# KiCad board rcbus-ymf262-panel.kicad_pcb (continued)
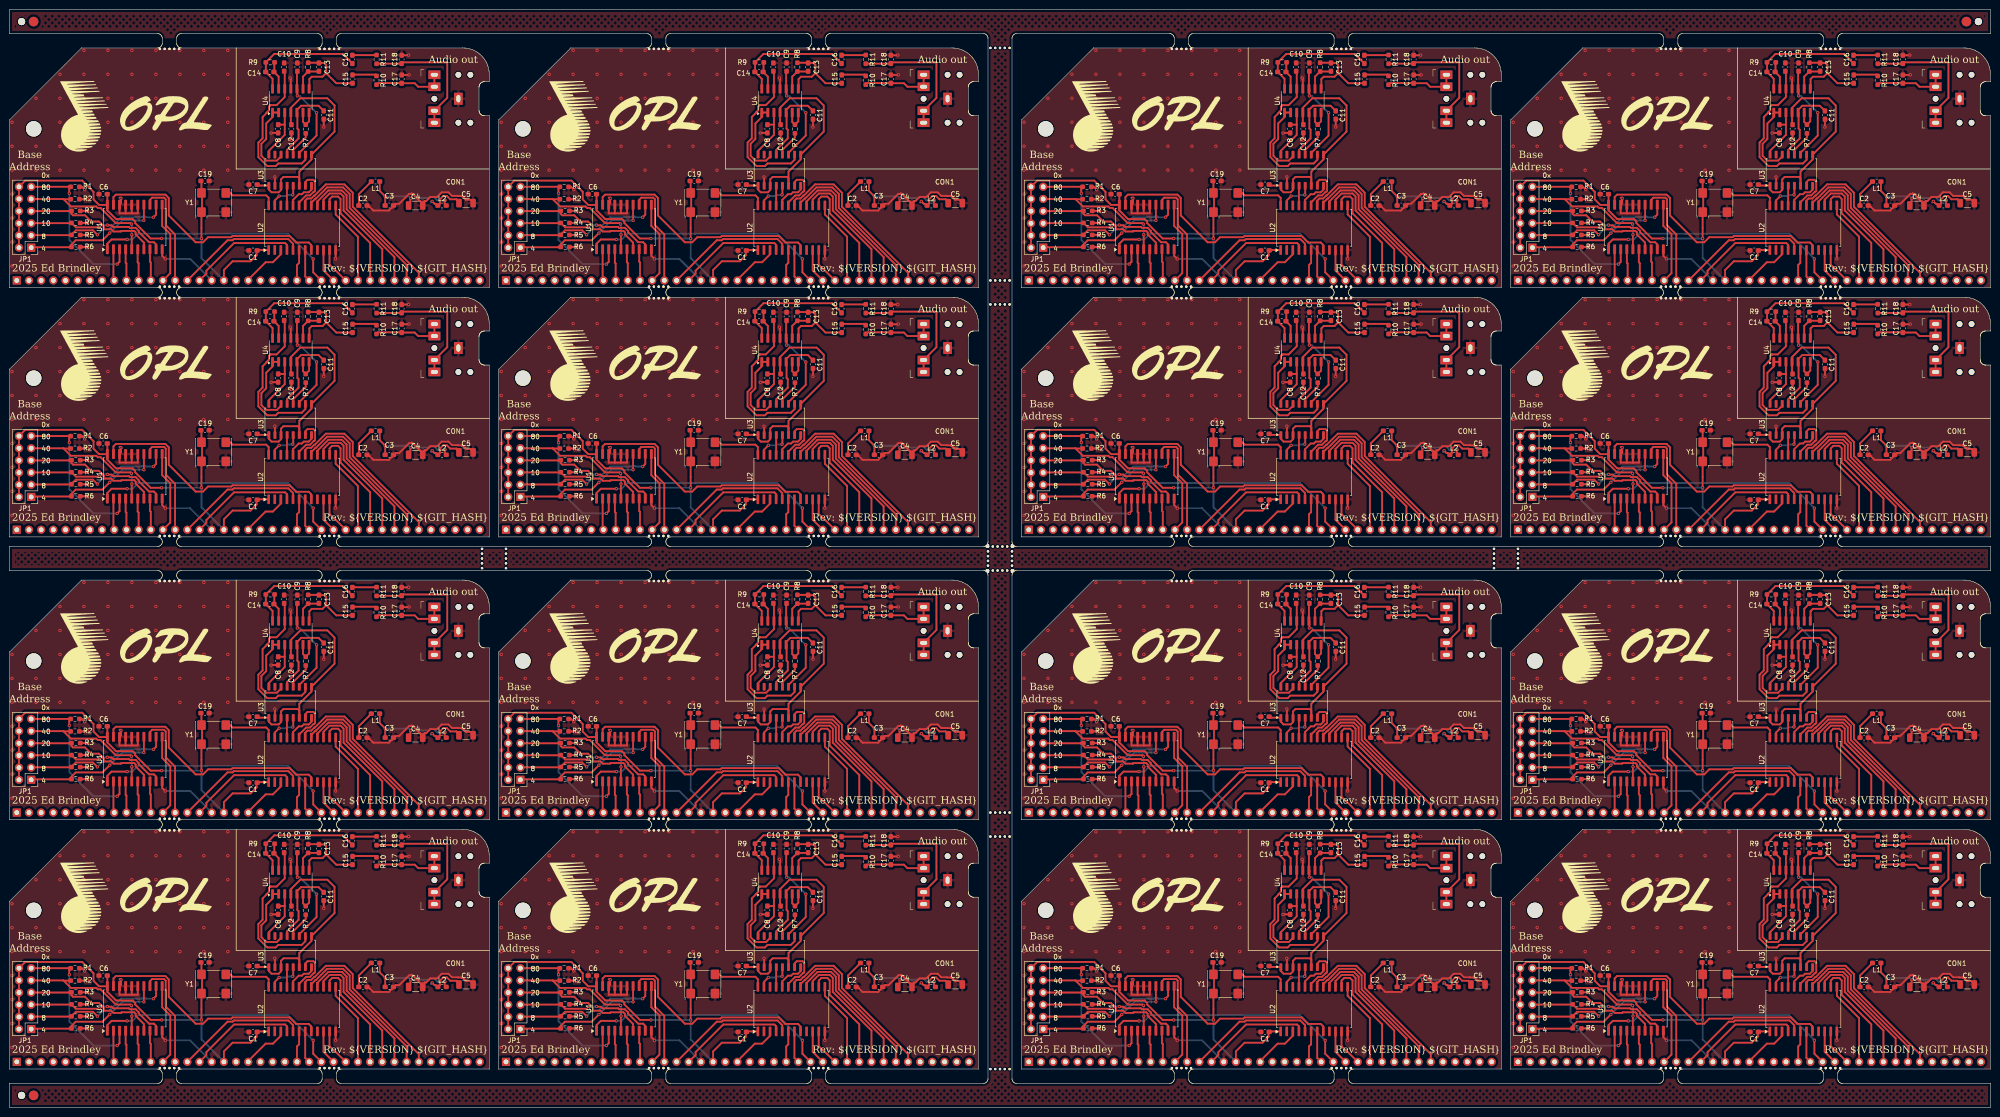
[diagram p0: board, top side]
## Placement (name value [footprint] x y rotation side) (continued)
P1#16  RC2014 BUS  [PinHeader_1x39_P2.54mm_Vertical]  1.5 120.5 90 top
R1  10K  [R_0603_1608Metric_Pad0.98x0.95mm_HandSolder]  326.64 140.03 0 top
R1#2  10K  [R_0603_1608Metric_Pad0.98x0.95mm_HandSolder]  326.64 81.03 0 top
R1#3  10K  [R_0603_1608Metric_Pad0.98x0.95mm_HandSolder]  13.64 81.03 0 top
R1#4  10K  [R_0603_1608Metric_Pad0.98x0.95mm_HandSolder]  224.64 140.03 0 top
R1#5  10K  [R_0603_1608Metric_Pad0.98x0.95mm_HandSolder]  224.64 192.03 0 top
R1#6  10K  [R_0603_1608Metric_Pad0.98x0.95mm_HandSolder]  115.64 140.03 0 top
R1#7  10K  [R_0603_1608Metric_Pad0.98x0.95mm_HandSolder]  13.64 29.03 0 top
R1#8  10K  [R_0603_1608Metric_Pad0.98x0.95mm_HandSolder]  224.64 29.03 0 top
R1#9  10K  [R_0603_1608Metric_Pad0.98x0.95mm_HandSolder]  115.64 81.03 0 top
R1#10  10K  [R_0603_1608Metric_Pad0.98x0.95mm_HandSolder]  115.64 29.03 0 top
R1#11  10K  [R_0603_1608Metric_Pad0.98x0.95mm_HandSolder]  115.64 192.03 0 top
R1#12  10K  [R_0603_1608Metric_Pad0.98x0.95mm_HandSolder]  326.64 192.03 0 top
R1#13  10K  [R_0603_1608Metric_Pad0.98x0.95mm_HandSolder]  13.64 192.03 0 top
R1#14  10K  [R_0603_1608Metric_Pad0.98x0.95mm_HandSolder]  224.64 81.03 0 top
R1#15  10K  [R_0603_1608Metric_Pad0.98x0.95mm_HandSolder]  326.64 29.03 0 top
R1#16  10K  [R_0603_1608Metric_Pad0.98x0.95mm_HandSolder]  13.64 140.03 0 top
R2  10K  [R_0603_1608Metric_Pad0.98x0.95mm_HandSolder]  224.64 78.44 0 top
R2#2  10K  [R_0603_1608Metric_Pad0.98x0.95mm_HandSolder]  13.64 137.44 0 top
R2#3  10K  [R_0603_1608Metric_Pad0.98x0.95mm_HandSolder]  224.64 26.44 0 top
R2#4  10K  [R_0603_1608Metric_Pad0.98x0.95mm_HandSolder]  326.64 189.44 0 top
R2#5  10K  [R_0603_1608Metric_Pad0.98x0.95mm_HandSolder]  326.64 78.44 0 top
R2#6  10K  [R_0603_1608Metric_Pad0.98x0.95mm_HandSolder]  13.64 78.44 0 top
R2#7  10K  [R_0603_1608Metric_Pad0.98x0.95mm_HandSolder]  326.64 26.44 0 top
R2#8  10K  [R_0603_1608Metric_Pad0.98x0.95mm_HandSolder]  224.64 189.44 0 top
R2#9  10K  [R_0603_1608Metric_Pad0.98x0.95mm_HandSolder]  224.64 137.44 0 top
R2#10  10K  [R_0603_1608Metric_Pad0.98x0.95mm_HandSolder]  115.64 189.44 0 top
R2#11  10K  [R_0603_1608Metric_Pad0.98x0.95mm_HandSolder]  115.64 78.44 0 top
R2#12  10K  [R_0603_1608Metric_Pad0.98x0.95mm_HandSolder]  115.64 26.44 0 top
R2#13  10K  [R_0603_1608Metric_Pad0.98x0.95mm_HandSolder]  13.64 189.44 0 top
R2#14  10K  [R_0603_1608Metric_Pad0.98x0.95mm_HandSolder]  115.64 137.44 0 top
R2#15  10K  [R_0603_1608Metric_Pad0.98x0.95mm_HandSolder]  326.64 137.44 0 top
R2#16  10K  [R_0603_1608Metric_Pad0.98x0.95mm_HandSolder]  13.64 26.44 0 top
R3  10K  [R_0603_1608Metric_Pad0.98x0.95mm_HandSolder]  115.81 135.01 0 top
R3#2  10K  [R_0603_1608Metric_Pad0.98x0.95mm_HandSolder]  13.81 135.01 0 top
R3#3  10K  [R_0603_1608Metric_Pad0.98x0.95mm_HandSolder]  13.81 24.01 0 top
R3#4  10K  [R_0603_1608Metric_Pad0.98x0.95mm_HandSolder]  326.81 24.01 0 top
R3#5  10K  [R_0603_1608Metric_Pad0.98x0.95mm_HandSolder]  115.81 187.01 0 top
R3#6  10K  [R_0603_1608Metric_Pad0.98x0.95mm_HandSolder]  224.81 187.01 0 top
R3#7  10K  [R_0603_1608Metric_Pad0.98x0.95mm_HandSolder]  326.81 76.01 0 top
R3#8  10K  [R_0603_1608Metric_Pad0.98x0.95mm_HandSolder]  224.81 24.01 0 top
R3#9  10K  [R_0603_1608Metric_Pad0.98x0.95mm_HandSolder]  115.81 24.01 0 top
R3#10  10K  [R_0603_1608Metric_Pad0.98x0.95mm_HandSolder]  224.81 135.01 0 top
R3#11  10K  [R_0603_1608Metric_Pad0.98x0.95mm_HandSolder]  13.81 76.01 0 top
R3#12  10K  [R_0603_1608Metric_Pad0.98x0.95mm_HandSolder]  326.81 135.01 0 top
R3#13  10K  [R_0603_1608Metric_Pad0.98x0.95mm_HandSolder]  13.81 187.01 0 top
R3#14  10K  [R_0603_1608Metric_Pad0.98x0.95mm_HandSolder]  115.81 76.01 0 top
R3#15  10K  [R_0603_1608Metric_Pad0.98x0.95mm_HandSolder]  326.81 187.01 0 top
R3#16  10K  [R_0603_1608Metric_Pad0.98x0.95mm_HandSolder]  224.81 76.01 0 top
R4  10K  [R_0603_1608Metric_Pad0.98x0.95mm_HandSolder]  13.81 184.5 0 top
R4#2  10K  [R_0603_1608Metric_Pad0.98x0.95mm_HandSolder]  326.81 184.5 0 top
R4#3  10K  [R_0603_1608Metric_Pad0.98x0.95mm_HandSolder]  224.81 21.5 0 top
R4#4  10K  [R_0603_1608Metric_Pad0.98x0.95mm_HandSolder]  115.81 132.5 0 top
R4#5  10K  [R_0603_1608Metric_Pad0.98x0.95mm_HandSolder]  115.81 184.5 0 top
R4#6  10K  [R_0603_1608Metric_Pad0.98x0.95mm_HandSolder]  224.81 73.5 0 top
R4#7  10K  [R_0603_1608Metric_Pad0.98x0.95mm_HandSolder]  326.81 21.5 0 top
R4#8  10K  [R_0603_1608Metric_Pad0.98x0.95mm_HandSolder]  224.81 184.5 0 top
R4#9  10K  [R_0603_1608Metric_Pad0.98x0.95mm_HandSolder]  115.81 73.5 0 top
R4#10  10K  [R_0603_1608Metric_Pad0.98x0.95mm_HandSolder]  224.81 132.5 0 top
R4#11  10K  [R_0603_1608Metric_Pad0.98x0.95mm_HandSolder]  115.81 21.5 0 top
R4#12  10K  [R_0603_1608Metric_Pad0.98x0.95mm_HandSolder]  13.81 73.5 0 top
R4#13  10K  [R_0603_1608Metric_Pad0.98x0.95mm_HandSolder]  13.81 21.5 0 top
R4#14  10K  [R_0603_1608Metric_Pad0.98x0.95mm_HandSolder]  326.81 132.5 0 top
R4#15  10K  [R_0603_1608Metric_Pad0.98x0.95mm_HandSolder]  326.81 73.5 0 top
R4#16  10K  [R_0603_1608Metric_Pad0.98x0.95mm_HandSolder]  13.81 132.5 0 top
R5  10K  [R_0603_1608Metric_Pad0.98x0.95mm_HandSolder]  13.81 129.99 0 top
R5#2  10K  [R_0603_1608Metric_Pad0.98x0.95mm_HandSolder]  115.81 70.99 0 top
R5#3  10K  [R_0603_1608Metric_Pad0.98x0.95mm_HandSolder]  115.81 181.99 0 top
R5#4  10K  [R_0603_1608Metric_Pad0.98x0.95mm_HandSolder]  326.81 18.99 0 top
R5#5  10K  [R_0603_1608Metric_Pad0.98x0.95mm_HandSolder]  115.81 129.99 0 top
R5#6  10K  [R_0603_1608Metric_Pad0.98x0.95mm_HandSolder]  326.81 129.99 0 top
R5#7  10K  [R_0603_1608Metric_Pad0.98x0.95mm_HandSolder]  115.81 18.99 0 top
R5#8  10K  [R_0603_1608Metric_Pad0.98x0.95mm_HandSolder]  326.81 70.99 0 top
R5#9  10K  [R_0603_1608Metric_Pad0.98x0.95mm_HandSolder]  224.81 181.99 0 top
R5#10  10K  [R_0603_1608Metric_Pad0.98x0.95mm_HandSolder]  224.81 18.99 0 top
R5#11  10K  [R_0603_1608Metric_Pad0.98x0.95mm_HandSolder]  224.81 129.99 0 top
R5#12  10K  [R_0603_1608Metric_Pad0.98x0.95mm_HandSolder]  13.81 18.99 0 top
R5#13  10K  [R_0603_1608Metric_Pad0.98x0.95mm_HandSolder]  224.81 70.99 0 top
R5#14  10K  [R_0603_1608Metric_Pad0.98x0.95mm_HandSolder]  326.81 181.99 0 top
R5#15  10K  [R_0603_1608Metric_Pad0.98x0.95mm_HandSolder]  13.81 70.99 0 top
R5#16  10K  [R_0603_1608Metric_Pad0.98x0.95mm_HandSolder]  13.81 181.99 0 top
R6  10K  [R_0603_1608Metric_Pad0.98x0.95mm_HandSolder]  115.81 68.48 0 top
R6#2  10K  [R_0603_1608Metric_Pad0.98x0.95mm_HandSolder]  326.81 16.48 0 top
R6#3  10K  [R_0603_1608Metric_Pad0.98x0.95mm_HandSolder]  326.81 127.48 0 top
R6#4  10K  [R_0603_1608Metric_Pad0.98x0.95mm_HandSolder]  224.81 179.48 0 top
R6#5  10K  [R_0603_1608Metric_Pad0.98x0.95mm_HandSolder]  326.81 179.48 0 top
R6#6  10K  [R_0603_1608Metric_Pad0.98x0.95mm_HandSolder]  224.81 127.48 0 top
R6#7  10K  [R_0603_1608Metric_Pad0.98x0.95mm_HandSolder]  13.81 16.48 0 top
R6#8  10K  [R_0603_1608Metric_Pad0.98x0.95mm_HandSolder]  224.81 16.48 0 top
R6#9  10K  [R_0603_1608Metric_Pad0.98x0.95mm_HandSolder]  13.81 127.48 0 top
R6#10  10K  [R_0603_1608Metric_Pad0.98x0.95mm_HandSolder]  115.81 127.48 0 top
R6#11  10K  [R_0603_1608Metric_Pad0.98x0.95mm_HandSolder]  326.81 68.48 0 top
R6#12  10K  [R_0603_1608Metric_Pad0.98x0.95mm_HandSolder]  115.81 179.48 0 top
R6#13  10K  [R_0603_1608Metric_Pad0.98x0.95mm_HandSolder]  13.81 179.48 0 top
R6#14  10K  [R_0603_1608Metric_Pad0.98x0.95mm_HandSolder]  224.81 68.48 0 top
R6#15  10K  [R_0603_1608Metric_Pad0.98x0.95mm_HandSolder]  115.81 16.48 0 top
R6#16  10K  [R_0603_1608Metric_Pad0.98x0.95mm_HandSolder]  13.81 68.48 0 top
R7  33  [R_0603_1608Metric_Pad0.98x0.95mm_HandSolder]  272.75 93.09 90 top
R7#2  33  [R_0603_1608Metric_Pad0.98x0.95mm_HandSolder]  61.75 93.09 90 top
R7#3  33  [R_0603_1608Metric_Pad0.98x0.95mm_HandSolder]  61.75 41.09 90 top
R7#4  33  [R_0603_1608Metric_Pad0.98x0.95mm_HandSolder]  61.75 204.09 90 top
R7#5  33  [R_0603_1608Metric_Pad0.98x0.95mm_HandSolder]  374.75 41.09 90 top
R7#6  33  [R_0603_1608Metric_Pad0.98x0.95mm_HandSolder]  61.75 152.09 90 top
R7#7  33  [R_0603_1608Metric_Pad0.98x0.95mm_HandSolder]  163.75 204.09 90 top
R7#8  33  [R_0603_1608Metric_Pad0.98x0.95mm_HandSolder]  272.75 152.09 90 top
R7#9  33  [R_0603_1608Metric_Pad0.98x0.95mm_HandSolder]  374.75 152.09 90 top
R7#10  33  [R_0603_1608Metric_Pad0.98x0.95mm_HandSolder]  163.75 41.09 90 top
R7#11  33  [R_0603_1608Metric_Pad0.98x0.95mm_HandSolder]  374.75 93.09 90 top
R7#12  33  [R_0603_1608Metric_Pad0.98x0.95mm_HandSolder]  163.75 93.09 90 top
R7#13  33  [R_0603_1608Metric_Pad0.98x0.95mm_HandSolder]  374.75 204.09 90 top
R7#14  33  [R_0603_1608Metric_Pad0.98x0.95mm_HandSolder]  163.75 152.09 90 top
R7#15  33  [R_0603_1608Metric_Pad0.98x0.95mm_HandSolder]  272.75 204.09 90 top
R7#16  33  [R_0603_1608Metric_Pad0.98x0.95mm_HandSolder]  272.75 41.09 90 top
R8  15k  [R_0603_1608Metric_Pad0.98x0.95mm_HandSolder]  273.25 54 90 top
R8#2  15k  [R_0603_1608Metric_Pad0.98x0.95mm_HandSolder]  273.25 217 90 top
R8#3  15k  [R_0603_1608Metric_Pad0.98x0.95mm_HandSolder]  375.25 106 90 top
R8#4  15k  [R_0603_1608Metric_Pad0.98x0.95mm_HandSolder]  164.25 165 90 top
R8#5  15k  [R_0603_1608Metric_Pad0.98x0.95mm_HandSolder]  375.25 217 90 top
R8#6  15k  [R_0603_1608Metric_Pad0.98x0.95mm_HandSolder]  164.25 54 90 top
R8#7  15k  [R_0603_1608Metric_Pad0.98x0.95mm_HandSolder]  375.25 165 90 top
R8#8  15k  [R_0603_1608Metric_Pad0.98x0.95mm_HandSolder]  62.25 165 90 top
R8#9  15k  [R_0603_1608Metric_Pad0.98x0.95mm_HandSolder]  164.25 106 90 top
R8#10  15k  [R_0603_1608Metric_Pad0.98x0.95mm_HandSolder]  375.25 54 90 top
R8#11  15k  [R_0603_1608Metric_Pad0.98x0.95mm_HandSolder]  62.25 54 90 top
R8#12  15k  [R_0603_1608Metric_Pad0.98x0.95mm_HandSolder]  273.25 106 90 top
R8#13  15k  [R_0603_1608Metric_Pad0.98x0.95mm_HandSolder]  273.25 165 90 top
R8#14  15k  [R_0603_1608Metric_Pad0.98x0.95mm_HandSolder]  164.25 217 90 top
R8#15  15k  [R_0603_1608Metric_Pad0.98x0.95mm_HandSolder]  62.25 217 90 top
R8#16  15k  [R_0603_1608Metric_Pad0.98x0.95mm_HandSolder]  62.25 106 90 top
R9  15k  [R_0603_1608Metric_Pad0.98x0.95mm_HandSolder]  54.34 218 180 top
R9#2  15k  [R_0603_1608Metric_Pad0.98x0.95mm_HandSolder]  54.34 166 180 top
R9#3  15k  [R_0603_1608Metric_Pad0.98x0.95mm_HandSolder]  156.34 166 180 top
R9#4  15k  [R_0603_1608Metric_Pad0.98x0.95mm_HandSolder]  265.34 218 180 top
R9#5  15k  [R_0603_1608Metric_Pad0.98x0.95mm_HandSolder]  54.34 55 180 top
R9#6  15k  [R_0603_1608Metric_Pad0.98x0.95mm_HandSolder]  265.34 107 180 top
R9#7  15k  [R_0603_1608Metric_Pad0.98x0.95mm_HandSolder]  265.34 55 180 top
R9#8  15k  [R_0603_1608Metric_Pad0.98x0.95mm_HandSolder]  367.34 55 180 top
R9#9  15k  [R_0603_1608Metric_Pad0.98x0.95mm_HandSolder]  156.34 55 180 top
R9#10  15k  [R_0603_1608Metric_Pad0.98x0.95mm_HandSolder]  367.34 166 180 top
R9#11  15k  [R_0603_1608Metric_Pad0.98x0.95mm_HandSolder]  156.34 107 180 top
R9#12  15k  [R_0603_1608Metric_Pad0.98x0.95mm_HandSolder]  367.34 218 180 top
R9#13  15k  [R_0603_1608Metric_Pad0.98x0.95mm_HandSolder]  54.34 107 180 top
R9#14  15k  [R_0603_1608Metric_Pad0.98x0.95mm_HandSolder]  156.34 218 180 top
R9#15  15k  [R_0603_1608Metric_Pad0.98x0.95mm_HandSolder]  367.34 107 180 top
R9#16  15k  [R_0603_1608Metric_Pad0.98x0.95mm_HandSolder]  265.34 166 180 top
R10  1K  [R_0603_1608Metric_Pad0.98x0.95mm_HandSolder]  287.5 162.25 270 top
R10#2  1K  [R_0603_1608Metric_Pad0.98x0.95mm_HandSolder]  76.5 162.25 270 top
R10#3  1K  [R_0603_1608Metric_Pad0.98x0.95mm_HandSolder]  287.5 214.25 270 top
R10#4  1K  [R_0603_1608Metric_Pad0.98x0.95mm_HandSolder]  178.5 162.25 270 top
R10#5  1K  [R_0603_1608Metric_Pad0.98x0.95mm_HandSolder]  389.5 51.25 270 top
R10#6  1K  [R_0603_1608Metric_Pad0.98x0.95mm_HandSolder]  287.5 51.25 270 top
R10#7  1K  [R_0603_1608Metric_Pad0.98x0.95mm_HandSolder]  178.5 51.25 270 top
R10#8  1K  [R_0603_1608Metric_Pad0.98x0.95mm_HandSolder]  76.5 51.25 270 top
R10#9  1K  [R_0603_1608Metric_Pad0.98x0.95mm_HandSolder]  287.5 103.25 270 top
R10#10  1K  [R_0603_1608Metric_Pad0.98x0.95mm_HandSolder]  76.5 103.25 270 top
R10#11  1K  [R_0603_1608Metric_Pad0.98x0.95mm_HandSolder]  76.5 214.25 270 top
R10#12  1K  [R_0603_1608Metric_Pad0.98x0.95mm_HandSolder]  178.5 103.25 270 top
R10#13  1K  [R_0603_1608Metric_Pad0.98x0.95mm_HandSolder]  178.5 214.25 270 top
R10#14  1K  [R_0603_1608Metric_Pad0.98x0.95mm_HandSolder]  389.5 214.25 270 top
R10#15  1K  [R_0603_1608Metric_Pad0.98x0.95mm_HandSolder]  389.5 103.25 270 top
R10#16  1K  [R_0603_1608Metric_Pad0.98x0.95mm_HandSolder]  389.5 162.25 270 top
R11  1K  [R_0603_1608Metric_Pad0.98x0.95mm_HandSolder]  76.51 55.61 270 top
R11#2  1K  [R_0603_1608Metric_Pad0.98x0.95mm_HandSolder]  76.51 218.61 270 top
R11#3  1K  [R_0603_1608Metric_Pad0.98x0.95mm_HandSolder]  287.51 218.61 270 top
R11#4  1K  [R_0603_1608Metric_Pad0.98x0.95mm_HandSolder]  389.51 55.61 270 top
R11#5  1K  [R_0603_1608Metric_Pad0.98x0.95mm_HandSolder]  178.51 166.61 270 top
R11#6  1K  [R_0603_1608Metric_Pad0.98x0.95mm_HandSolder]  389.51 218.61 270 top
R11#7  1K  [R_0603_1608Metric_Pad0.98x0.95mm_HandSolder]  178.51 218.61 270 top
R11#8  1K  [R_0603_1608Metric_Pad0.98x0.95mm_HandSolder]  389.51 107.61 270 top
R11#9  1K  [R_0603_1608Metric_Pad0.98x0.95mm_HandSolder]  287.51 166.61 270 top
R11#10  1K  [R_0603_1608Metric_Pad0.98x0.95mm_HandSolder]  287.51 55.61 270 top
R11#11  1K  [R_0603_1608Metric_Pad0.98x0.95mm_HandSolder]  389.51 166.61 270 top
R11#12  1K  [R_0603_1608Metric_Pad0.98x0.95mm_HandSolder]  287.51 107.61 270 top
R11#13  1K  [R_0603_1608Metric_Pad0.98x0.95mm_HandSolder]  76.51 166.61 270 top
R11#14  1K  [R_0603_1608Metric_Pad0.98x0.95mm_HandSolder]  178.51 107.61 270 top
R11#15  1K  [R_0603_1608Metric_Pad0.98x0.95mm_HandSolder]  178.51 55.61 270 top
R11#16  1K  [R_0603_1608Metric_Pad0.98x0.95mm_HandSolder]  76.51 107.61 270 top
U1  74HCT688  [SOIC-20W_7.5x12.8mm_P1.27mm]  237.1 20.65 90 top
U1#2  74HCT688  [SOIC-20W_7.5x12.8mm_P1.27mm]  26.1 183.65 90 top
U1#3  74HCT688  [SOIC-20W_7.5x12.8mm_P1.27mm]  128.1 183.65 90 top
U1#4  74HCT688  [SOIC-20W_7.5x12.8mm_P1.27mm]  26.1 72.65 90 top
U1#5  74HCT688  [SOIC-20W_7.5x12.8mm_P1.27mm]  339.1 183.65 90 top
U1#6  74HCT688  [SOIC-20W_7.5x12.8mm_P1.27mm]  339.1 20.65 90 top
U1#7  74HCT688  [SOIC-20W_7.5x12.8mm_P1.27mm]  128.1 131.65 90 top
U1#8  74HCT688  [SOIC-20W_7.5x12.8mm_P1.27mm]  26.1 20.65 90 top
U1#9  74HCT688  [SOIC-20W_7.5x12.8mm_P1.27mm]  237.1 72.65 90 top
U1#10  74HCT688  [SOIC-20W_7.5x12.8mm_P1.27mm]  26.1 131.65 90 top
U1#11  74HCT688  [SOIC-20W_7.5x12.8mm_P1.27mm]  128.1 20.65 90 top
U1#12  74HCT688  [SOIC-20W_7.5x12.8mm_P1.27mm]  339.1 131.65 90 top
U1#13  74HCT688  [SOIC-20W_7.5x12.8mm_P1.27mm]  237.1 131.65 90 top
U1#14  74HCT688  [SOIC-20W_7.5x12.8mm_P1.27mm]  237.1 183.65 90 top
U1#15  74HCT688  [SOIC-20W_7.5x12.8mm_P1.27mm]  128.1 72.65 90 top
U1#16  74HCT688  [SOIC-20W_7.5x12.8mm_P1.27mm]  339.1 72.65 90 top
U2  YMF262  [SOP-24_7.5x15.4mm_P1.27mm]  272 183.5 90 top
U2#2  YMF262  [SOP-24_7.5x15.4mm_P1.27mm]  163 20.5 90 top
U2#3  YMF262  [SOP-24_7.5x15.4mm_P1.27mm]  374 72.5 90 top
U2#4  YMF262  [SOP-24_7.5x15.4mm_P1.27mm]  61 72.5 90 top
U2#5  YMF262  [SOP-24_7.5x15.4mm_P1.27mm]  272 131.5 90 top
U2#6  YMF262  [SOP-24_7.5x15.4mm_P1.27mm]  374 131.5 90 top
U2#7  YMF262  [SOP-24_7.5x15.4mm_P1.27mm]  374 183.5 90 top
U2#8  YMF262  [SOP-24_7.5x15.4mm_P1.27mm]  163 72.5 90 top
U2#9  YMF262  [SOP-24_7.5x15.4mm_P1.27mm]  272 20.5 90 top
U2#10  YMF262  [SOP-24_7.5x15.4mm_P1.27mm]  61 20.5 90 top
U2#11  YMF262  [SOP-24_7.5x15.4mm_P1.27mm]  61 183.5 90 top
U2#12  YMF262  [SOP-24_7.5x15.4mm_P1.27mm]  374 20.5 90 top
U2#13  YMF262  [SOP-24_7.5x15.4mm_P1.27mm]  272 72.5 90 top
U2#14  YMF262  [SOP-24_7.5x15.4mm_P1.27mm]  61 131.5 90 top
U2#15  YMF262  [SOP-24_7.5x15.4mm_P1.27mm]  163 131.5 90 top
U2#16  YMF262  [SOP-24_7.5x15.4mm_P1.27mm]  163 183.5 90 top
U3  YAC512  [SOP-16_4.55x10.3mm_P1.27mm]  269.5 84.5 90 top
U3#2  YAC512  [SOP-16_4.55x10.3mm_P1.27mm]  371.5 32.5 90 top
U3#3  YAC512  [SOP-16_4.55x10.3mm_P1.27mm]  371.5 195.5 90 top
U3#4  YAC512  [SOP-16_4.55x10.3mm_P1.27mm]  269.5 195.5 90 top
U3#5  YAC512  [SOP-16_4.55x10.3mm_P1.27mm]  269.5 143.5 90 top
U3#6  YAC512  [SOP-16_4.55x10.3mm_P1.27mm]  160.5 143.5 90 top
U3#7  YAC512  [SOP-16_4.55x10.3mm_P1.27mm]  160.5 195.5 90 top
U3#8  YAC512  [SOP-16_4.55x10.3mm_P1.27mm]  160.5 32.5 90 top
U3#9  YAC512  [SOP-16_4.55x10.3mm_P1.27mm]  58.5 32.5 90 top
U3#10  YAC512  [SOP-16_4.55x10.3mm_P1.27mm]  371.5 143.5 90 top
U3#11  YAC512  [SOP-16_4.55x10.3mm_P1.27mm]  371.5 84.5 90 top
U3#12  YAC512  [SOP-16_4.55x10.3mm_P1.27mm]  58.5 195.5 90 top
U3#13  YAC512  [SOP-16_4.55x10.3mm_P1.27mm]  160.5 84.5 90 top
U3#14  YAC512  [SOP-16_4.55x10.3mm_P1.27mm]  58.5 84.5 90 top
U3#15  YAC512  [SOP-16_4.55x10.3mm_P1.27mm]  58.5 143.5 90 top
U3#16  YAC512  [SOP-16_4.55x10.3mm_P1.27mm]  269.5 32.5 90 top
U4  TL074  [SOIC-14_3.9x8.7mm_P1.27mm]  269.64 210 90 top
U4#2  TL074  [SOIC-14_3.9x8.7mm_P1.27mm]  58.64 99 90 top
U4#3  TL074  [SOIC-14_3.9x8.7mm_P1.27mm]  269.64 99 90 top
U4#4  TL074  [SOIC-14_3.9x8.7mm_P1.27mm]  160.64 99 90 top
U4#5  TL074  [SOIC-14_3.9x8.7mm_P1.27mm]  58.64 158 90 top
U4#6  TL074  [SOIC-14_3.9x8.7mm_P1.27mm]  371.64 158 90 top
U4#7  TL074  [SOIC-14_3.9x8.7mm_P1.27mm]  371.64 99 90 top
U4#8  TL074  [SOIC-14_3.9x8.7mm_P1.27mm]  160.64 47 90 top
U4#9  TL074  [SOIC-14_3.9x8.7mm_P1.27mm]  371.64 210 90 top
U4#10  TL074  [SOIC-14_3.9x8.7mm_P1.27mm]  371.64 47 90 top
U4#11  TL074  [SOIC-14_3.9x8.7mm_P1.27mm]  269.64 158 90 top
U4#12  TL074  [SOIC-14_3.9x8.7mm_P1.27mm]  160.64 158 90 top
U4#13  TL074  [SOIC-14_3.9x8.7mm_P1.27mm]  269.64 47 90 top
U4#14  TL074  [SOIC-14_3.9x8.7mm_P1.27mm]  160.64 210 90 top
U4#15  TL074  [SOIC-14_3.9x8.7mm_P1.27mm]  58.64 210 90 top
U4#16  TL074  [SOIC-14_3.9x8.7mm_P1.27mm]  58.64 47 90 top
Y1  SG-8002CA  [Oscillator_SMD_Abracon_ASV-4Pin_7.0x5.1mm]  355.54 25.75 0 top
Y1#2  SG-8002CA  [Oscillator_SMD_Abracon_ASV-4Pin_7.0x5.1mm]  253.54 188.75 0 top
Y1#3  SG-8002CA  [Oscillator_SMD_Abracon_ASV-4Pin_7.0x5.1mm]  42.54 136.75 0 top
Y1#4  SG-8002CA  [Oscillator_SMD_Abracon_ASV-4Pin_7.0x5.1mm]  355.54 77.75 0 top
Y1#5  SG-8002CA  [Oscillator_SMD_Abracon_ASV-4Pin_7.0x5.1mm]  144.54 77.75 0 top
Y1#6  SG-8002CA  [Oscillator_SMD_Abracon_ASV-4Pin_7.0x5.1mm]  253.54 136.75 0 top
Y1#7  SG-8002CA  [Oscillator_SMD_Abracon_ASV-4Pin_7.0x5.1mm]  144.54 188.75 0 top
Y1#8  SG-8002CA  [Oscillator_SMD_Abracon_ASV-4Pin_7.0x5.1mm]  144.54 25.75 0 top
Y1#9  SG-8002CA  [Oscillator_SMD_Abracon_ASV-4Pin_7.0x5.1mm]  42.54 188.75 0 top
Y1#10  SG-8002CA  [Oscillator_SMD_Abracon_ASV-4Pin_7.0x5.1mm]  42.54 25.75 0 top
Y1#11  SG-8002CA  [Oscillator_SMD_Abracon_ASV-4Pin_7.0x5.1mm]  355.54 136.75 0 top
Y1#12  SG-8002CA  [Oscillator_SMD_Abracon_ASV-4Pin_7.0x5.1mm]  253.54 25.75 0 top
Y1#13  SG-8002CA  [Oscillator_SMD_Abracon_ASV-4Pin_7.0x5.1mm]  144.54 136.75 0 top
Y1#14  SG-8002CA  [Oscillator_SMD_Abracon_ASV-4Pin_7.0x5.1mm]  355.54 188.75 0 top
Y1#15  SG-8002CA  [Oscillator_SMD_Abracon_ASV-4Pin_7.0x5.1mm]  42.54 77.75 0 top
Y1#16  SG-8002CA  [Oscillator_SMD_Abracon_ASV-4Pin_7.0x5.1mm]  253.54 77.75 0 top

## Library data of the parts
C1 C1#2-C1#16 C2 C2#2-C2#16 C3 C3#2-C3#16 C6 C6#2-C6#16 C7 C7#2-C7#16 C9 C9#2-C9#16 C10 C10#2-C10#16 C11 C11#2-C11#16 C12 C12#2-C12#16 C13 C13#2-C13#16 C14 C14#2-C14#16 C17 C17#2-C17#16 C18 C18#2-C18#16 C19 C19#2-C19#16 = -: Description: Unpolarized capacitor, small symbol; desc: Unpolarized capacitor, small symbol; part: C_Small
C4 C4#2-C4#16 C5 C5#2-C5#16 C8 C8#2-C8#16 C15 C15#2-C15#16 C16 C16#2-C16#16 = -: Description: Polarized capacitor, small symbol; desc: Polarized capacitor, small symbol; part: C_Polarized_Small
CON1 CON1#2-CON1#16 = -: Description: Audio Jack, 3 Poles (Stereo / TRS), Switched TR Poles (Normalling); Digi-Key_PN: CP1-3523N-ND; Category: Connectors, Interconnects; Family: Barrel - Audio Connectors; DK_Datasheet_Link: https://www.cui.com/product/resource/digikeypdf/sj1-352xn_series.pdf; DK_Detail_Page: /product-detail/en/cui-inc/SJ1-3523N/CP1-3523N-ND/738689; Manufacturer: CUI Inc.; Status: Active; desc: Audio Jack, 3 Poles (Stereo / TRS), Switched TR Poles (Normalling); manf: CUI Inc.; part: AudioJack3_SwitchTR
H1 H1#2-H1#16 = -: Description: Mounting Hole without connection; desc: Mounting Hole without connection
JP1 JP1#2-JP1#16 = -: Description: Generic connector, double row, 02x06, odd/even pin numbering scheme (row 1 odd numbers, row 2 even numbers), script generated (kicad-library-utils/schlib/autogen/connector/); desc: Generic connector, double row, 02x06, odd/even pin numbering scheme (row 1 odd numbers, row 2 even numbers), script generated (kicad-library-utils/schlib/autogen/connector/); part: Conn_02x06_Odd_Even
L1 L1#2-L1#16 L2 L2#2-L2#16 = -: Description: Inductor; desc: Inductor; part: L
P1 P1#2-P1#16 = -: Description: Generic connector, single row, 01x39, script generated (kicad-library-utils/schlib/autogen/connector/); desc: Generic connector, single row, 01x39, script generated (kicad-library-utils/schlib/autogen/connector/); part: Conn_01x39
R1 R1#2-R1#16 R2 R2#2-R2#16 R3 R3#2-R3#16 R4 R4#2-R4#16 R5 R5#2-R5#16 R6 R6#2-R6#16 = -: Description: Resistor, small symbol; desc: Resistor, small symbol; part: R_Small
R7 R7#2-R7#16 R8 R8#2-R8#16 R9 R9#2-R9#16 R10 R10#2-R10#16 R11 R11#2-R11#16 = -: Description: Resistor; desc: Resistor; part: R
U1 U1#2-U1#16 = -: Datasheet: https://www.ti.com/lit/ds/symlink/cd54hc688.pdf; Description: 8-bit magnitude comparator; desc: 8-bit magnitude comparator
U4 U4#2-U4#16 = -: Datasheet: http://www.ti.com/lit/ds/symlink/tl071.pdf; Description: Quad Low-Noise JFET-Input Operational Amplifiers, DIP-14/SOIC-14; desc: Quad Low-Noise JFET-Input Operational Amplifiers, DIP-14/SOIC-14
Y1 Y1#2-Y1#16 = -: Datasheet: http://www.abracon.com/Oscillators/ASV.pdf; Description: 3.3V HCMOS SMD Crystal Clock Oscillator, Abracon; desc: 3.3V HCMOS SMD Crystal Clock Oscillator, Abracon; part: ASV-xxxMHz

## Footprints (pads in the part's own frame, mm; a bottom-side part is the same pattern mirrored in y, then rotated)
C_0603_1608Metric_Pad1.08x0.95mm_HandSolder
  rrect 1.075x0.95 smd: 1(-0.863,0) 2(0.863,0)
C_1206_3216Metric
  rrect 1.15x1.8 smd: 1(-1.475,0) 2(1.475,0)
Fiducial
  round 2 smd: (0,0)
Headphone_Jack_3.5mm_5_pin
  round 1.2 hole 1.2 unplated: (-7.5,5) (-7.5,-5) (-5,5) (-5,-5) (0,0)
  rect 2.5x1.8 hole 1.5x0.8: R(0,5) RN(0,2.5) T(0,-5) TN(0,-2.5)
  rect 1.8x2.5 hole 0.8x1.5: S(-5,0)
L_0603_1608Metric_Pad1.05x0.95mm_HandSolder
  rrect 1.05x0.95 smd: 1(-0.875,0) 2(0.875,0)
MountingHole_3.2mm_M3
  round 3.2 hole 3.2 unplated: (0,0)
NPTH
  round 0.5 hole 0.5 unplated: (0,0)
NPTH#2
  round 1.5 hole 1.5 unplated: (0,0)
Oscillator_SMD_Abracon_ASV-4Pin_7.0x5.1mm
  rrect 1.8x2 smd: 1(-2.54,-2) 2(2.54,-2) 3(2.54,2) 4(-2.54,2)
PinHeader_1x39_P2.54mm_Vertical
  rect 1.7x1.7 hole 1: 1(0,0)
  oval 1.7x1.7 hole 1: 2(0,-2.54) 3(0,-5.08) 4(0,-7.62) 5(0,-10.16) 6(0,-12.7) 7(0,-15.24) 8(0,-17.78) 9(0,-20.32) 10(0,-22.86) 11(0,-25.4) 12(0,-27.94) 13(0,-30.48) 14(0,-33.02) 15(0,-35.56) 16(0,-38.1) 17(0,-40.64) 18(0,-43.18) 19(0,-45.72) 20(0,-48.26) 21(0,-50.8) 22(0,-53.34) 23(0,-55.88) 24(0,-58.42) 25(0,-60.96) 26(0,-63.5) 27(0,-66.04) 28(0,-68.58) 29(0,-71.12) 30(0,-73.66) 31(0,-76.2) 32(0,-78.74) 33(0,-81.28) 34(0,-83.82) 35(0,-86.36) 36(0,-88.9) 37(0,-91.44) 38(0,-93.98) 39(0,-96.52)
PinHeader_2x06_P2.54mm_Vertical
  rect 1.7x1.7 hole 1: 1(0,0)
  round 1.7 hole 1: 2(2.54,0) 3(0,-2.54) 4(2.54,-2.54) 5(0,-5.08) 6(2.54,-5.08) 7(0,-7.62) 8(2.54,-7.62) 9(0,-10.16) 10(2.54,-10.16) 11(0,-12.7) 12(2.54,-12.7)
R_0603_1608Metric_Pad0.98x0.95mm_HandSolder
  rrect 0.975x0.95 smd: 1(-0.912,0) 2(0.912,0)
SOIC-14_3.9x8.7mm_P1.27mm
  rrect 1.95x0.6 smd: 1(-2.475,3.81) 2(-2.475,2.54) 3(-2.475,1.27) 4(-2.475,0) 5(-2.475,-1.27) 6(-2.475,-2.54) 7(-2.475,-3.81) 8(2.475,-3.81) 9(2.475,-2.54) 10(2.475,-1.27) 11(2.475,0) 12(2.475,1.27) 13(2.475,2.54) 14(2.475,3.81)
SOIC-20W_7.5x12.8mm_P1.27mm
  rrect 2.05x0.6 smd: 1(-4.65,5.715) 2(-4.65,4.445) 3(-4.65,3.175) 4(-4.65,1.905) 5(-4.65,0.635) 6(-4.65,-0.635) 7(-4.65,-1.905) 8(-4.65,-3.175) 9(-4.65,-4.445) 10(-4.65,-5.715) 11(4.65,-5.715) 12(4.65,-4.445) 13(4.65,-3.175) 14(4.65,-1.905) 15(4.65,-0.635) 16(4.65,0.635) 17(4.65,1.905) 18(4.65,3.175) 19(4.65,4.445) 20(4.65,5.715)
SOP-16_4.55x10.3mm_P1.27mm
  rrect 1.6x0.6 smd: 1(-3.25,4.445) 2(-3.25,3.175) 3(-3.25,1.905) 4(-3.25,0.635) 5(-3.25,-0.635) 6(-3.25,-1.905) 7(-3.25,-3.175) 8(-3.25,-4.445) 9(3.25,-4.445) 10(3.25,-3.175) 11(3.25,-1.905) 12(3.25,-0.635) 13(3.25,0.635) 14(3.25,1.905) 15(3.25,3.175) 16(3.25,4.445)
SOP-24_7.5x15.4mm_P1.27mm
  rrect 2x0.55 smd: 1(-4.65,6.985) 2(-4.65,5.715) 3(-4.65,4.445) 4(-4.65,3.175) 5(-4.65,1.905) 6(-4.65,0.635) 7(-4.65,-0.635) 8(-4.65,-1.905) 9(-4.65,-3.175) 10(-4.65,-4.445) 11(-4.65,-5.715) 12(-4.65,-6.985) 13(4.65,-6.985) 14(4.65,-5.715) 15(4.65,-4.445) 16(4.65,-3.175) 17(4.65,-1.905) 18(4.65,-0.635) 19(4.65,0.635) 20(4.65,1.905) 21(4.65,3.175) 22(4.65,4.445) 23(4.65,5.715) 24(4.65,6.985)
